# Altium PCB LimePSB-RPCM_1v2.PcbDoc (part 2 of 10)
Units mm, origin at the board's own origin, x right, y up, seen from the top; angles counter-clockwise.
Board outline 170 x 110 mm, 6 copper layers (Top, L2, L3, L4, L5, Bottom), stack 1.583 mm thick; 800 components, 483 nets, 3453 pads, 1534 vias.
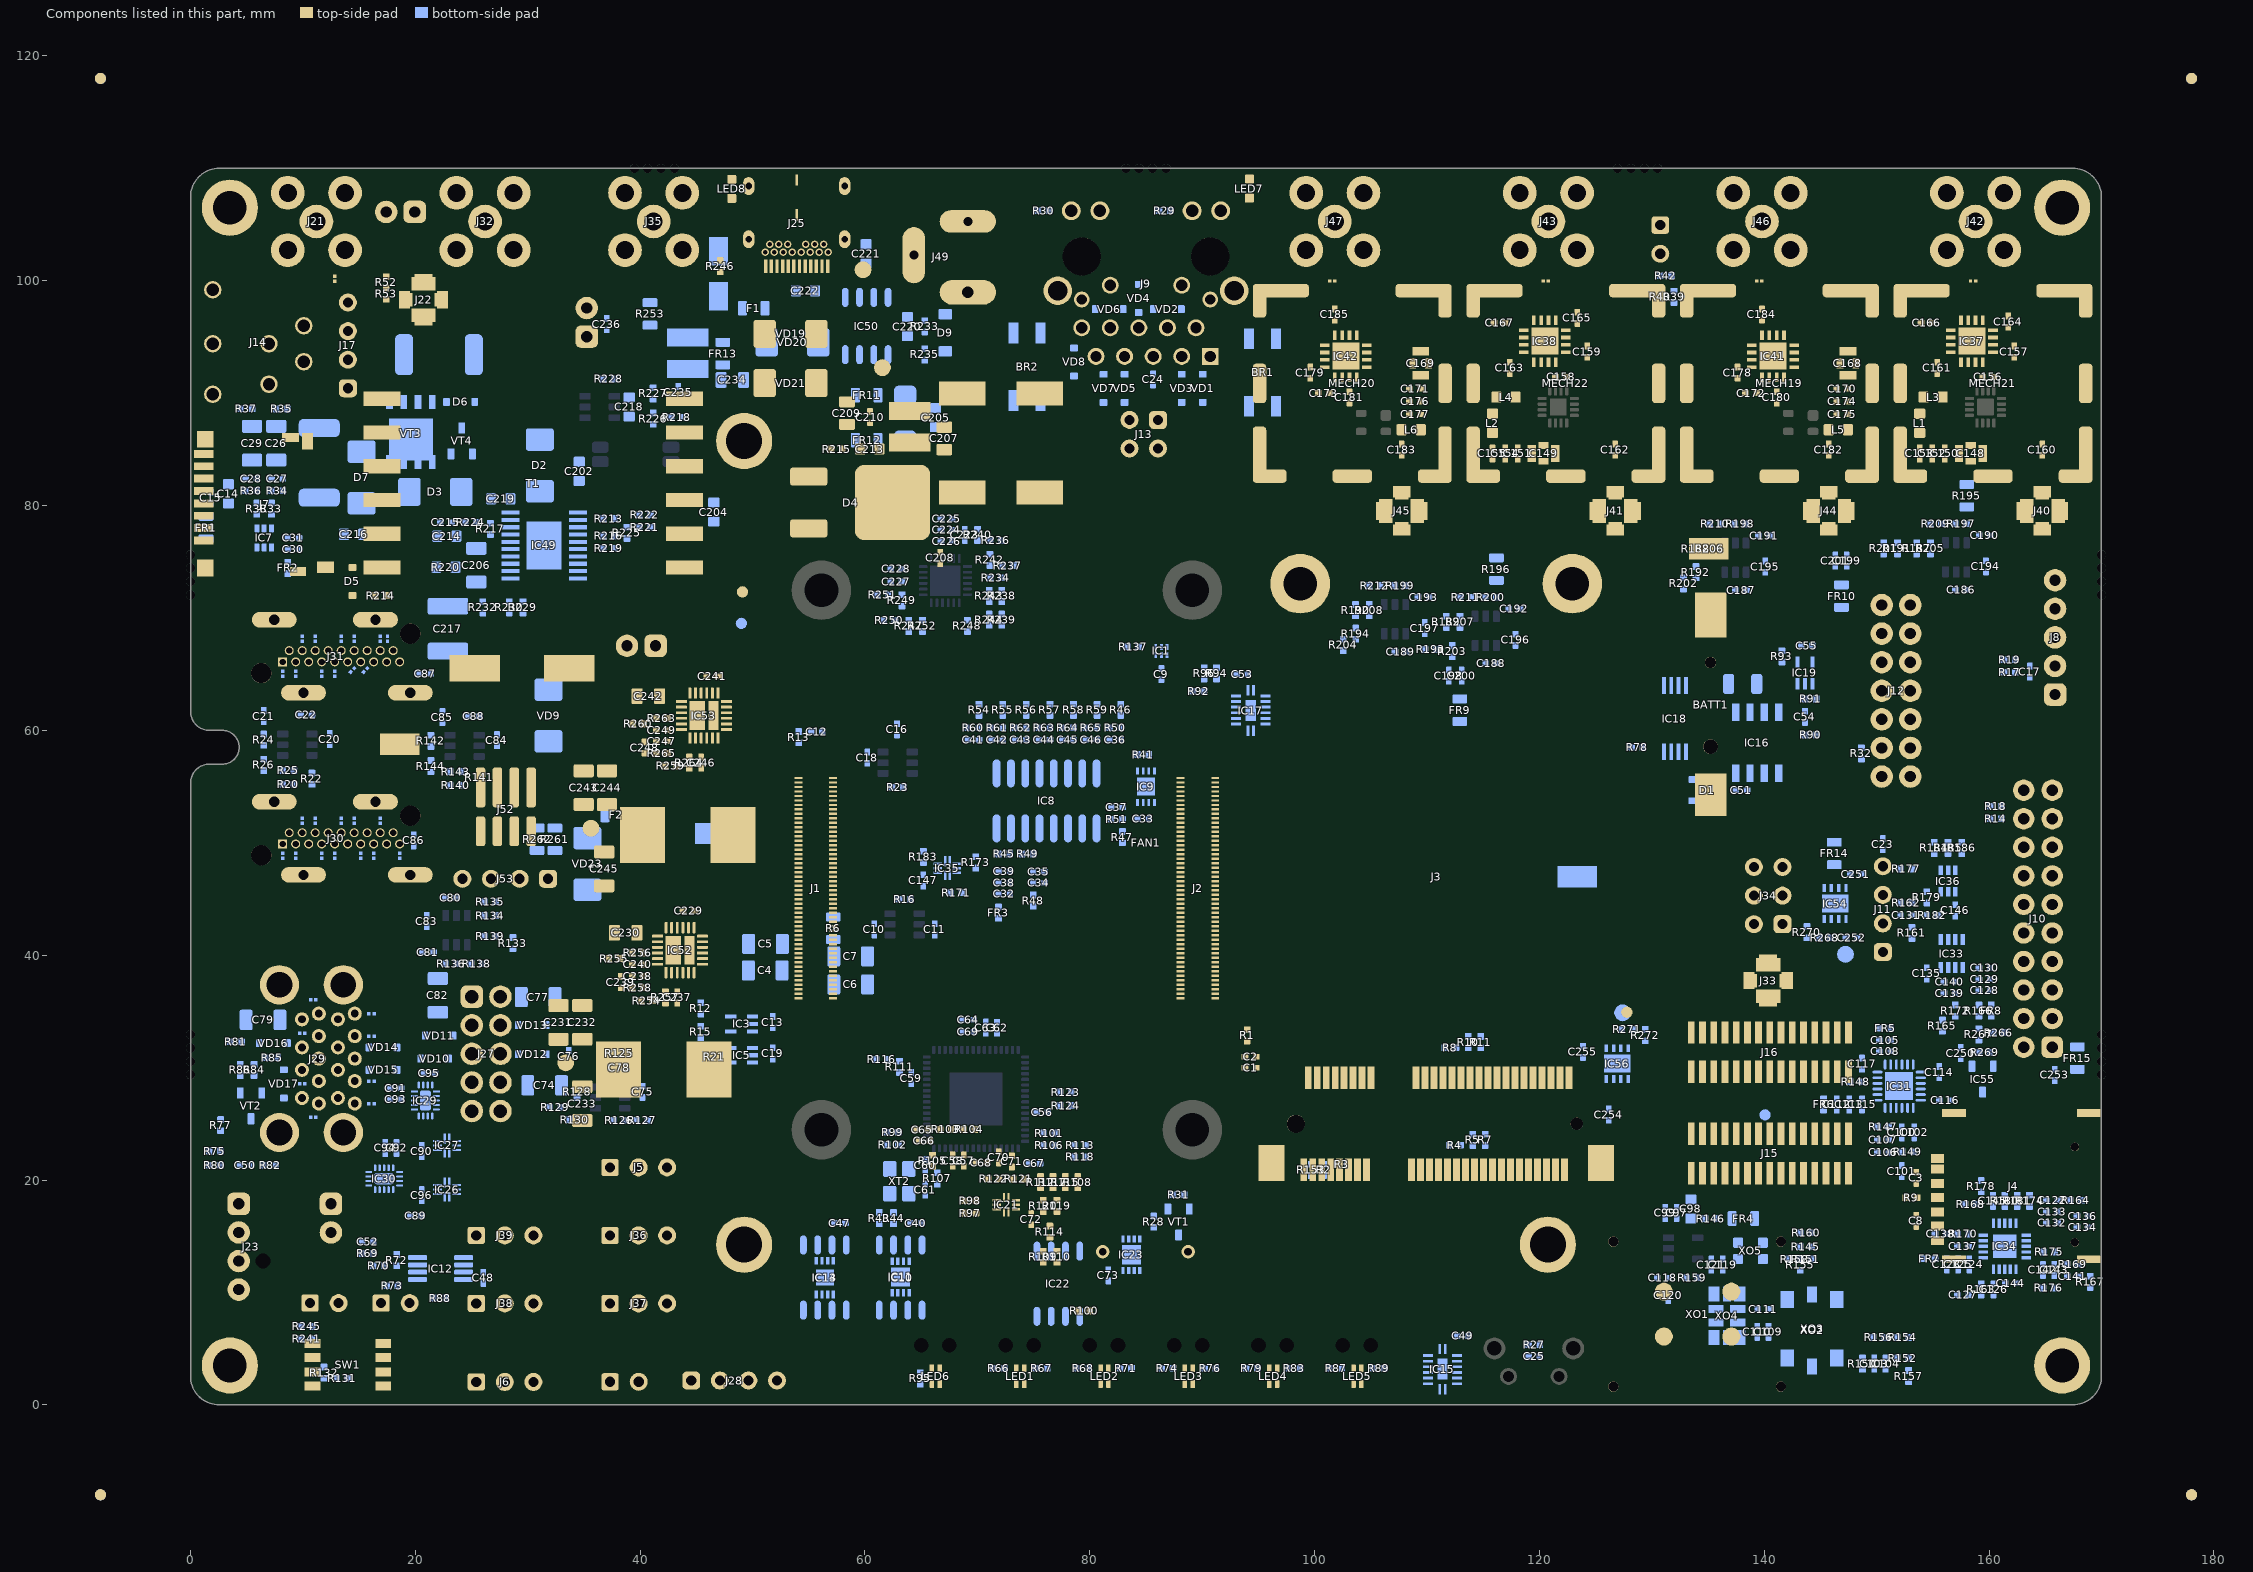
[diagram p6: the components of this part, seen from the top]

## Components (designator, comment, footprint, x,y, rotation, side; value= is the part's Value field where it differs from the comment) (continued)
R143 "10k, 1%" RES0402#1 23.575,56.338 r180 bottom
R144 "470R, 1%" RES0402#1 21.385,56.823 r90 bottom
R145 "0R" RES0402_v2#1 143.7,14.075 r0 bottom
R146 "0R" RES0402#1 135.225,16.575 r180 bottom
R147 "0R" RES0402#1 150.575,24.75 r0 bottom
R148 "0R" RES0402#1 148.15,28.75 r0 bottom
R149 "49.9R, 1%" RES0402#1 152.75,22.525 r180 bottom
R150 "0R" RES0402#1 148.74,3.665 r90 bottom
R151 "0R" RES0402_v2#1 143.7,12.975 r0 bottom
R152 "0R" RES0402#1 152.34,4.165 r0 bottom
R153 "0R" RES0402#1 99.7,20.9 r90 bottom
R154 "0R" RES0402#1 152.325,6 r180 bottom
R155 "0R" RES0402_v2#1 143.2,12.475 r90 bottom
R156 "22R, 1%" RES0402#1 150.2,6 r180 bottom
R157 "0R" RES0402#1 152.84,2.565 r270 bottom
R158 "0R" RES0402_v2#1 142.7,12.975 r180 bottom
R159 "0R" RES0402#1 133.575,11.3 r180 bottom
R160 "0R" RES0402_v2#1 143.725,15.3 r0 bottom
R161 "1k, 1%" RES0402#1 153.14,41.989 r270 bottom
R162 "0R" RES0402#1 152.64,44.659 r0 bottom
R163 "49.9R, 1%" RES0402#1 159.3,10.275 r270 bottom
R164 "10R, 1%" RES0402#1 167.725,18.2 r180 bottom
R165 "0R" RES0402_v2#1 155.849,33.739 r270 bottom
R166 "3k, 1%" RES0402#1 159.099,35.074 r90 bottom
R167 "0R" RES0402#1 168.999,10.95 r270 bottom
R168 "1k, 1%" RES0402#1 158.364,17.84 r180 bottom
R169 "470R, 1%" RES0402#1 167.449,12.5 r0 bottom
R170 "49.9R, 1%" RES0402#1 157.7,15.2 r180 bottom
R171 "0R" RES0402#1 68.1,45.55 r0 bottom
R172 "10k, 1%" RES0402#1 156.999,35.075 r270 bottom
R173 "0R" RES0402#1 69.863,48.25 r90 bottom
R174 "10k, 1%" RES0402#1 163.6,18.15 r90 bottom
R175 "10k, 1%" RES0402#1 165.349,13.6 r0 bottom
R176 "330R, 1%" RES0402#1 165.299,10.4 r180 bottom
R177 "10k, 1%" RES0402#1 152.64,47.675 r0 bottom
R178 "49.9R, 1%" RES0402#1 159.3,19.45 r270 bottom
R179 "3k, 1%" RES0402#1 154.465,45.149 r90 bottom
R180 "49.9R, 1%" RES0402#1 161.4,18.15 r270 bottom
R181 "49.9R, 1%" RES0402#1 162.5,18.15 r270 bottom
R182 "10k, 1%" RES0402#1 154.965,43.549 r0 bottom
R183 "10k, 1%" RES0402#1 65.2,48.75 r90 bottom
R184 "49.9R, 1%" RES0402#1 155.124,49.549 r90 bottom
R185 "49.9R, 1%" RES0402#1 156.349,49.549 r90 bottom
R186 "49.9R, 1%" RES0402#1 157.574,49.549 r90 bottom
R187 "0R" RES0402#1 153.563,76.2 r270 bottom
R188 "0R" RES0402#1 133.925,76.172 r270 bottom
R189 "0R" RES0402#1 111.715,69.66 r270 bottom
R190 "0R" RES0402#1 103.638,70.7 r270 bottom
R191 "100k, 1%" RES0402#1 151.85,76.2 r270 bottom
R192 "100k, 1%" RES0402#1 133.925,74.075 r270 bottom
R193 "100k, 1%" RES0402#1 110.325,67.2 r0 bottom
R194 "100k, 1%" RES0402#1 103.65,68.6 r270 bottom
R195 "0R" RES0805 158.025,80.888 r270 bottom
R196 "0R" RES0805 116.177,74.348 r270 bottom
R197 "0R" RES0402#1 157.525,78.388 r0 bottom
R198 "0R" RES0402#1 137.885,78.363 r0 bottom
R199 "0R" RES0402#1 107.598,72.89 r0 bottom
R200 "0R" RES0402#1 115.675,71.85 r0 bottom
R201 "100k, 1%" RES0402#1 150.625,76.2 r90 bottom
R202 "100k, 1%" RES0402#1 132.825,73.075 r270 bottom
R203 "100k, 1%" RES0402#1 112.25,67.05 r270 bottom
R204 "100k, 1%" RES0402#1 102.55,67.6 r270 bottom
R205 "10k, 1%" RES0402#1 154.788,76.2 r90 bottom
R206 "10k, 1%" RES0402#1 135.15,76.172 r90 bottom
R207 "10k, 1%" RES0402#1 112.94,69.66 r90 bottom
R208 "10k, 1%" RES0402#1 104.863,70.7 r90 bottom
R209 "470R, 1%" RES0402#1 155.273,78.39 r0 bottom
R210 "470R, 1%" RES0402#1 135.635,78.363 r0 bottom
R211 "470R, 1%" RES0402#1 113.425,71.85 r0 bottom
R212 "470R, 1%" RES0402#1 105.348,72.89 r0 bottom
R213 "30.1R, 1%" RES0402#1 37.225,78.85 r180 bottom
R214 "75R, 1%" RES0402#2 16.925,72 r180 top
R215 "75R, 1%" RES0402#2 57.475,85.025 r0 top
R216 "118k, 1%" RES0402#1 37.225,77.3 r180 bottom
R217 "5.1k, 5%" RES0402#1 26.675,77.925 r270 bottom
R218 "680R, 1%" RES0402#1 43.25,87.85 r180 bottom
R219 "44.2k, 1%" RES0402#1 37.225,76.2 r0 bottom
R220 "10R, 1%" RES0603#2 22.725,74.525 r0 bottom
R221 "470k, 1%" RES0402#1 40.425,78.075 r0 bottom
R222 "22.1k, 1%" RES0402#1 40.425,79.175 r0 bottom
R223 "330R, 1%" RES2512 11.45,83.8 r90 bottom
R224 "0R" RES0402#1 24.95,78.5 r180 bottom
R225 "768R, 1%" RES0402#1 38.825,77.575 r270 bottom
R226 "22k, 1%" RES0402#1 41.155,87.747 r270 bottom
R227 "15k, 1%" RES0402#1 41.15,89.975 r90 bottom
R228 "3.92k, 1%" RES0402#1 37.212,91.262 r180 bottom
R229 "5.1k, 5%" RES0402#1 29.575,70.95 r90 bottom
R230 "150k, 1%" RES0402#1 28.346,70.954 r90 bottom
R231 "0.1R, 1%" RES2512 22.1,93.425 r180 bottom
R232 "2k2, 1%" RES0402#1 26,70.95 r90 bottom
R233 "10k, 1%" RES0402#1 65.325,95.95 r90 bottom
R234 "1k, 1%" RES0402#1 71.636,73.575 r180 bottom
R235 "44.2k, 1%" RES0402#1 65.325,93.45 r90 bottom
R236 "5.1k, 5%" RES0402#1 71.616,76.895 r180 bottom
R237 "5.1k, 5%" RES0402#1 72.716,74.67 r180 bottom
R238 "5.1k, 5%" RES0402#1 72.166,71.97 r90 bottom
R239 "5.1k, 5%" RES0402#1 72.166,69.845 r270 bottom
R240 "1k, 1%" RES0402#1 70.016,77.395 r90 bottom
R241 "2k2, 1%" RES0402#1 10.325,5.875 r180 bottom
R242 "2.4k, 1%" RES0402#1 71.116,75.17 r270 bottom
R243 "2.4k, 1%" RES0402#1 71.066,71.97 r90 bottom
R244 "2.4k, 1%" RES0402#1 71.066,69.845 r270 bottom
R245 "0R" RES0402#1 10.325,6.975 r180 bottom
R246 "2k2, 1%" RES0402#2 47.125,101.3 r270 top
R247 "10k, 1%" RES0402#1 63.891,69.295 r270 bottom
R248 "10k, 1%" RES0402#1 69.116,69.295 r270 bottom
R249 "10k, 1%" RES0402#1 63.291,71.57 r270 bottom
R250 "0R" RES0402#1 62.166,69.795 r180 bottom
R251 "0R" RES0402#1 61.566,72.07 r180 bottom
R252 "10k, 1%" RES0402#1 65.116,69.295 r90 bottom
R253 "0R" RES0805 40.875,97.05 r90 bottom
R254 "10k, 1%" RES0402#2 40.591,35.948 r0 top
R255 "44.2k, 1%" RES0402#2 37.7,39.7 r180 top
R256 "100k, 1%" RES0402#2 39.8,40.2 r180 top
R257 "2.21k, 1%" RES0402#2 42.25,36.25 r90 top
R258 "44.2k, 1%" RES0402#2 39.8,37.1 r0 top
R259 "22k, 1%" RES0402#2 42.709,56.834 r180 top
R260 "44.2k, 1%" RES0402#2 39.825,60.575 r180 top
R261 "100R, 1%" RES0805 32.42,50.314 r270 bottom
R262 "100R, 1%" RES0805 30.825,50.325 r270 bottom
R263 "100k, 1%" RES0402#2 41.925,61.075 r180 top
R264 "3k, 1%" RES0402#2 44.375,57.125 r90 top
R265 "44.2k, 1%" RES0402#2 41.925,57.975 r0 top
R266 "1k, 1%" RES0402#1 160.875,33.125 r0 bottom
R267 "0R" RES0402#1 159.1,32.95 r270 bottom
R268 "1.6k, 1%" RES0402#1 145.4,41.55 r0 bottom
R269 "0R" RES0402#1 159.6,31.35 r180 bottom
R270 "510R, 1%" RES0402#1 143.8,42.05 r90 bottom
R271 "1k, 1%" RES0402#1 127.825,33.4 r180 bottom
R272 "1.2k, 1%" RES0402#1 129.425,32.9 r270 bottom
SW1 "4 bit switch" SW_4WAY_SMD_1P27 14,3.565 r270 top locked
T1 "POE300F-12LD" POE300F50LD_TRANSFORMER 30.5,82 r0 top
TP1 "TESTPOINT_PAD" TP_PAD_1P5MM 61.55,92.275 r0 top
TP2 "TESTPOINT_PAD" TP_PAD_1P5MM 59.825,100.975 r0 top
TP3 "TESTPOINT_PAD" TP_PAD_1P5MM 33.375,30.425 r90 top
TP4 "TESTPOINT_PAD" TP_PAD_1P5MM 35.625,51.3 r180 top
TP5 "TESTPOINT_PAD" TP_PAD_1P5MM 147.225,40.075 r270 bottom
TP6 "TESTPOINT_PAD" TP_PAD_1P5MM 127.4,34.875 r270 bottom
TP7 "TESTPOINT_THT_MINI" TP-SMD-LOW_PROFILE 18.625,58.775 r0 top
TP8 "TESTPOINT_THT_MINI" TP-SMD-LOW_PROFILE 46.625,50.825 r180 bottom
TP9 "TESTPOINT_THT_MINI" TP-SMD-LOW_PROFILE 135.075,76.175 r0 top
TP10 "TESTPOINT_THT_MINI" TP-SMD-LOW_PROFILE 123.35,46.975 r180 bottom
VD1 "TVS" SOD323 90.045,90.425 r90 bottom
VD2 "TVS" SOD323 86.9,97.475 r0 bottom
VD3 "TVS" SOD323 88.175,90.425 r90 bottom
VD4 "TVS" SOD323 84.35,98.425 r270 bottom
VD5 "TVS" SOD323 83.1,90.425 r90 bottom
VD6 "TVS" SOD323 81.725,97.475 r0 bottom
VD7 "TVS" SOD323 81.225,90.425 r90 bottom
VD8 "TVS" SOD323 78.6,92.775 r90 bottom
VD9 "SK36A" SK32A-L_DIODE_DO-214AC#1 31.85,61.325 r270 bottom
VD10 "TVS" SOD323 21.725,30.8 r0 bottom
VD11 "TVS" SOD323 22.125,32.85 r0 bottom
VD12 "TVS" SOD323 30.394,31.194 r180 bottom
VD13 "TVS" SOD323 30.394,33.78 r180 bottom
VD14 "TVS" SOD323 17.125,31.8 r180 bottom
VD15 "TVS" SOD323 17.125,29.8 r180 bottom
VD16 "TVS" SOD323 7.375,32.175 r0 bottom
VD17 "TVS" SOD323 8.3,28.55 r90 bottom
VD18 "SMAJ58A" SMAJ58A_SHOTTKY_DIODE 63.575,87.825 r90 bottom
VD19 "SK36A" SK32A-L_DIODE_DO-214AC#2 53.375,95.275 r0 top
VD20 "SK36A" SK32A-L_DIODE_DO-214AC#1 53.55,94.525 r0 bottom
VD21 "SK36A" SK32A-L_DIODE_DO-214AC#2 53.375,90.9 r0 top
VD22 "SMBJ14A" SMAJ12CA-13-F 46.975,100.575 r270 bottom
VD23 "SK36A" SK32A-L_DIODE_DO-214AC#1 35.3,48.125 r270 bottom
VT1 "IRLML6244" SOT23-3 87.9,16.27 r270 bottom
VT2 "IRLML6244" SOT23-3 5.375,26.6 r270 bottom
VT3 "FDMS86250" FDMS86250_NMOS_POWER56 19.6,86.55 r0 bottom
VT4 "BFT92,215" BFT92,215_PNP_STO23-3 24.125,85.75 r90 bottom
XO1 "U7475LF 30.72MHz" AOCJYR-10.000MHz 134.075,8.075 r0 top
XO2 "E6245LF 30.72 MHz" RAKON_RPT7050A 144.264,6.615 r270 bottom
XO3 "E5280LF 30.72MHz" RAKON_TXCO 144.264,6.615 r270 bottom
XO4 "RTX5032A, 40.00MHz" RAKON_RTX5032A 136.675,7.925 r90 bottom
XO5 "ASVTX-12 38.4MHz" CRYSTAL_4-LCC_2P5x2P0 138.775,13.7 r0 bottom
XT1 "32.768kHz" CRYSTAL_2PIN_RTC_RT3215 138.08,64.134 r0 bottom
XT2 "24MHz" CRYSTAL_4-LCC 63.05,19.886 r270 bottom

## Footprints (in the part's own frame and the unit in brackets; to place one, negate y for a bottom-side part, rotate by r counter-clockwise, add the part's x,y. Pads: shape width x height; smd on the part's side, far side on the other; paste and mask are expansions set on the pad)
12CWQ06FN_diode_array_DPAK [mm]
  round 0.508 on Mech15: 0(0,0)
  rrect25% 3.3x1.6 smd: 1(3.526,-2.3) 3(3.526,2.3)
  rrect25% 6.7x6.7 smd: 2(-3.926,0)
  silkscreen extent -5.13,-3.6 5.9,3.7, body extent -5.93,-3.37 4.17,3.37, height 2.37
74AHCT1G126SE-7_BUFFER_SOT353 [mm]
  rect 1x0.36 smd mask+0.05: 1(-0.965,0.66) 2(-0.965,0) 3(-0.965,-0.66) 4(0.965,-0.66) 5(0.965,0.66)
  silkscreen extent -1.17,-1.1 0.63,1.25, body extent -1.15,-1.05 1.15,1.05, height 1
74HC595BQ,115 [mm]
  rect 0.9x0.25 smd mask+0.05: 1(-1.8,-0.25) 8(1.8,-0.25) 9(1.8,0.25) 16(-1.8,0.25)
  rect 0.25x0.9 smd mask+0.05: 2(-1.3,-1.3) 3(-0.8,-1.3) 4(-0.3,-1.3) 5(0.2,-1.3) 6(0.7,-1.3) 7(1.2,-1.3) 10(1.2,1.3) 11(0.7,1.3) 12(0.2,1.3) 13(-0.3,1.3) 14(-0.8,1.3) 15(-1.3,1.3)
  rect 1.9x0.9 smd paste-2 mask+0.05: PAD(0,0)
  silkscreen extent -2.3,-1.8 2.3,1.8, body extent -1.8,-1.07 1.8,1.08, height 1
74LVC1G3157FZ4_SPDT_SW_DFN1410-6 [mm]
  rect 0.525x0.25 smd mask+0.05: 1(-0.362,0.5) 2(-0.362,0) 3(-0.362,-0.5) 4(0.363,-0.5) 5(0.363,0) 6(0.363,0.5)
  silkscreen extent -0.82,-0.8 0.5,0.9, body extent -0.51,-0.7 0.51,0.7, height 0.4
874370443_1P5_SMD_HEADER [mm] "Supercapacitor 1.5mm pitch header"
  rrect50% 3.55x0.85 smd mask+0.05: 1(-1.95,2.25) 2(-1.95,0.75) 3(-1.95,-0.75) 4(-1.95,-2.25)
  rrect50% 2.65x0.85 smd mask+0.05: 1(1.95,2.25) 2(1.95,0.75) 3(1.95,-0.75) 4(1.95,-2.25)
  silkscreen extent -4.1,-3.9 3.5,3.8, body extent -3.25,-3.7 2.75,3.6, height 5.77
AD5601_SOT23-6 [mm] "SOT23, 6-Leads, Body 2x1.3mm, Pitch 0.65mm, Lead Span 2.1mm, IPC Medium Density"
  rect 0.85x0.4 smd mask+0.05: 1(-0.95,0.65) 2(-0.95,0) 3(-0.95,-0.65) 4(0.95,-0.65) 5(0.95,0) 6(0.95,0.65)
  silkscreen extent -1.07,-1.1 0.15,1.52, body extent -1.05,-1 1.05,1, height 0.43
AD5662_SOT23-8 [mm]
  rect 1x0.4 smd mask+0.05: 1(-1.25,0.975) 2(-1.25,0.325) 3(-1.25,-0.325) 4(-1.25,-0.975) 5(1.25,-0.975) 6(1.25,-0.325) 7(1.25,0.325) 8(1.25,0.975)
  silkscreen extent -1.29,-1.4 0.3,1.51, body extent -1.4,-1.49 1.4,1.45, height 1.2
ADF4002 [mm]
  rect 0.85x0.3 smd mask+0.05: 1(-2.05,1) 2(-2.05,0.5) 3(-2.05,0) 4(-2.05,-0.5) 5(-2.05,-1) 11(2.05,-1) 12(2.05,-0.5) 13(2.05,0) 14(2.05,0.5) 15(2.05,1)
  rect 0.3x0.85 smd mask+0.05: 6(-1,-1.9) 7(-0.5,-1.9) 8(0,-1.9) 9(0.5,-1.9) 10(1,-1.9) 16(1,1.9) 17(0.5,1.9) 18(0,1.9) 19(-0.5,1.9) 20(-1,1.9)
  rect 2.1x2.1 smd: 21(0,0)
  silkscreen extent -2.3,-2.22 2.3,2.22, body extent -2.03,-2.02 2.02,2.02, height 0.8
ADP2386 [mm] "QFN, 24-Leads, Body 4,00x4,00mm, Pitch 0,50mm, 2x thermal pads, IPC Medium Density"
  rrect50% 1x0.25 smd mask+0.05: 1(-2,1.25) 2(-2,0.75) 3(-2,0.25) 4(-2,-0.25) 5(-2,-0.75) 6(-2,-1.25) 13(2,-1.25) 14(2,-0.75) 15(2,-0.25) 16(2,0.25) 17(2,0.75) 18(2,1.25)
  rrect50% 0.25x1 smd mask+0.05: 7(-1.25,-2) 8(-0.75,-2) 9(-0.25,-2) 10(0.25,-2) 11(0.75,-2) 12(1.25,-2) 19(1.25,2) 20(0.75,2) 21(0.25,2) 22(-0.25,2) 23(-0.75,2) 24(-1.25,2)
  rect 2.55x1.4 smd mask+0.05: 25(0,0.6)
  rect 2.55x0.9 smd mask+0.05: 26(0,-0.85)
  silkscreen extent -2.22,-2.22 2.22,2.23, body extent -2,-2 2,2, height 1
AOCJYR-10.000MHz [mm]
  round 0.9 hole 0.9 unplated: 0(-7.5,6.45) 0(-7.5,-6.45) 0(7.4,-6.45) 0(7.4,6.45)
  round 1.6 smd mask+0.05: 1(-3,-2) 2(3,-2) 3(3,2) 4(-3,2)
  Top pour cut-out: 7.4,-6.45 7.4,-5.35 7.821,-5.434 8.178,-5.672 8.416,-6.029 8.5,-6.45 8.5,-6.45
  Top pour cut-out: 7.4,-6.45 7.4,-7.55 6.979,-7.466 6.622,-7.228 6.384,-6.871 6.3,-6.45 6.3,-6.45
  Top pour cut-out: 7.4,-6.45 6.3,-6.45 6.384,-6.029 6.622,-5.672 6.979,-5.434 7.4,-5.35 7.4,-5.35
  Top pour cut-out: 7.4,-6.45 8.5,-6.45 8.416,-6.871 8.178,-7.228 7.821,-7.466 7.4,-7.55 7.4,-7.55
  Top pour cut-out: -7.5,-6.45 -6.4,-6.45 -6.484,-6.871 -6.722,-7.228 -7.079,-7.466 -7.5,-7.55 -7.5,-7.55
  Top pour cut-out: -7.5,-6.45 -8.6,-6.45 -8.516,-6.029 -8.278,-5.672 -7.921,-5.434 -7.5,-5.35 -7.5,-5.35
  Top pour cut-out: -7.5,-6.45 -7.5,-7.55 -7.921,-7.466 -8.278,-7.228 -8.516,-6.871 -8.6,-6.45 -8.6,-6.45
  Top pour cut-out: -7.5,-6.45 -7.5,-5.35 -7.079,-5.434 -6.722,-5.672 -6.484,-6.029 -6.4,-6.45 -6.4,-6.45
  Top pour cut-out: -7.5,6.45 -6.4,6.45 -6.484,6.029 -6.722,5.672 -7.079,5.434 -7.5,5.35 -7.5,5.35
  Top pour cut-out: -7.5,6.45 -8.6,6.45 -8.516,6.871 -8.278,7.228 -7.921,7.466 -7.5,7.55 -7.5,7.55
  Top pour cut-out: -7.5,6.45 -7.5,5.35 -7.921,5.434 -8.278,5.672 -8.516,6.029 -8.6,6.45 -8.6,6.45
  Top pour cut-out: -7.5,6.45 -7.5,7.55 -7.079,7.466 -6.722,7.228 -6.484,6.871 -6.4,6.45 -6.4,6.45
  Top pour cut-out: 7.4,6.45 8.5,6.45 8.416,6.029 8.178,5.672 7.821,5.434 7.4,5.35 7.4,5.35
  Top pour cut-out: 7.4,6.45 6.3,6.45 6.384,6.871 6.622,7.228 6.979,7.466 7.4,7.55 7.4,7.55
  Top pour cut-out: 7.4,6.45 7.4,5.35 6.979,5.434 6.622,5.672 6.384,6.029 6.3,6.45 6.3,6.45
  Top pour cut-out: 7.4,6.45 7.4,7.55 7.821,7.466 8.178,7.228 8.416,6.871 8.5,6.45 8.5,6.45
  Top pour cut-out: 4.9,-0.5 4.9,3.9 -4.9,3.9 -4.9,-3.9 1.525,-3.9 1.525,-0.5
  silkscreen extent -9,-8 9,8, body extent -8.05,-7.01 7.95,6.99, height 10
AP7361 [mm] "Low noise LDO"
  rect 0.7x0.3 smd mask+0.05: 1(-1.375,0.975) 2(-1.375,0.325) 3(-1.375,-0.325) 4(-1.375,-0.975) 5(1.375,-0.975) 6(1.375,-0.325) 7(1.375,0.325) 8(1.375,0.975)
  rect 1.6x2.35 smd mask+0.05: 9(0,0)
  silkscreen extent -2,-1.7 2,1.7, body extent -1.52,-1.5 1.5,1.5, height 0.8
ATECC508A_UDFN8 [mm]
  rect 0.7x0.3 smd mask+0.05: 1(-1.5,0.75) 2(-1.5,0.25) 3(-1.5,-0.25) 4(-1.5,-0.75) 5(1.5,-0.75) 6(1.5,-0.25) 7(1.5,0.25) 8(1.5,0.75)
  rect 1.4x1.6 smd mask+0.05: PAD(0,0)
  silkscreen extent -1.64,-1.1 1.2,1.24, body extent -1.5,-1 1.5,1, height 0.53
Audio_jack_3.5mm [mm]
  round 1.55 hole 1.1 mask+0.05: 1(2.9,4.8) 2(7.9,-3.6) 3(11,1.6) 4(2.9,-4.5) 5(11,-1.6) 6(2.9,0) 7(7.9,0)
  silkscreen extent 1.3,-5.3 11.6,5, body extent -2.5,-5.3 11.5,4.9, height 5.2
BAS316_DIODE_SOD323#1 [mm]
  round 0.508 on Mech15: 0(0,0)
  rrect25% 0.6x0.7 smd: A(1.25,0) C(-1.25,0)
  silkscreen extent -0.63,-0.9 0.64,0.75, body extent -1.3,-0.68 1.3,0.68, height 1.1
BAS316_DIODE_SOD323#2 [mm]
  round 0.508 on Mech14: 0(0,0)
  rrect25% 0.6x0.7 smd: A(1.25,0) C(-1.25,0)
  silkscreen extent -0.63,-0.9 0.64,0.75, body extent -1.3,-0.68 1.3,0.67, height 1.1
BAT54C_SOT23-3 [mm] "SOT23, 3 pin"
  round 0.5 on Mech14: 0(0,0)
  rrect25% 1x0.6 smd: A1(-1.15,0.95) A2(-1.15,-0.95) C(1.15,0)
  silkscreen extent -1.25,-1.45 0.38,1.81, body extent -1.4,-1.45 1.4,1.45, height 1.29
BFT92,215_PNP_STO23-3 [mm]
  round 0.5 on Mech14: 0(0,0)
  rrect25% 1x0.6 smd: 1(-1.15,0.95) 2(-1.15,-0.95) 3(1.15,0)
  silkscreen extent -1.25,-1.45 0.38,1.81, body extent -1.4,-1.45 1.4,1.45, height 1.29
BUZZER_WST-1203UX [mm]
  round 1.2 hole 0.7 mask+0.05: 1(0,3.8) 2(0,-3.8)
  silkscreen extent -6.3,-6.3 6.3,6.3, body extent -6,-6.03 6,9.43, height 9.65
CAP0402#1 [mm] "Chip Capacitor, Body 1.0x0.5mm, 0402, IPC Medium Density"
  round 0.2 on Mech15: 0(0,0)
  rrect20% 0.6x0.5 smd: 1(-0.5,0) 2(0.5,0)
  Top pour cut-out: -0.2,0.35 0.2,0.35 0.2,-0.35 -0.2,-0.35
  silkscreen extent -1.05,-0.5 1.05,0.5, body extent -0.52,-0.27 0.53,0.28, height 0.55
CAP0402#2 [mm] "Chip Capacitor, Body 1.0x0.5mm, 0402, IPC Medium Density"
  round 0.2 on Mech14: 0(0,0)
  rrect20% 0.6x0.5 smd: 1(-0.5,0) 2(0.5,0)
  Top pour cut-out: -0.2,0.35 0.2,0.35 0.2,-0.35 -0.2,-0.35
  silkscreen extent -1.05,-0.5 1.05,0.5, body extent -0.52,-0.27 0.53,0.28, height 0.55
CAP0603#1 [mm] "Chip Capacitor, Body 1.6x0.8mm, 0603, IPC Medium Density"
  round 0.254 on Mech14: 0(0,0)
  rrect25% 0.9x1 smd: 1(-0.85,0) 2(0.85,0)
  Top pour cut-out: -0.4,0.6 0.4,0.6 0.4,-0.6 -0.4,-0.6
  silkscreen extent -0.18,-0.48 0.18,0.48, body extent -0.85,-0.45 0.85,0.45, height 0.89
CAP0603#2 [mm] "Chip Capacitor, Body 1.6x0.8mm, 0603, IPC Medium Density"
  round 0.254 on Mech15: 0(0,0)
  rrect25% 0.9x1 smd: 1(-0.85,0) 2(0.85,0)
  Top pour cut-out: -0.4,0.6 0.4,0.6 0.4,-0.6 -0.4,-0.6
  silkscreen extent -0.18,-0.48 0.18,0.48, body extent -0.85,-0.45 0.85,0.45, height 0.89
CAP0805#1 [mm] "Chip Capacitor, Body 2.0x1.2mm, 0805, IPC Medium Density"
  round 0.254 on Mech15: 0(0,0)
  rrect25% 1x1.4 smd: 1(-1,0) 2(1,0)
  Top pour cut-out: -0.4,0.8 0.4,0.8 0.4,-0.8 -0.4,-0.8
  silkscreen extent -0.15,-0.65 0.15,0.65, body extent -1.1,-0.72 1.1,0.73, height 1.34
CAP0805#2 [mm] "Chip Capacitor, Body 2.0x1.2mm, 0805, IPC Medium Density"
  round 0.254 on Mech14: 0(0,0)
  rrect25% 1x1.4 smd: 1(-1,0) 2(1,0)
  Top pour cut-out: -0.4,0.8 0.4,0.8 0.4,-0.8 -0.4,-0.8
  silkscreen extent -0.15,-0.65 0.15,0.65, body extent -1.1,-0.72 1.1,0.73, height 1.34
CAP0805_FEEDTHROUGH [mm]
  rect 0.75x1.5 smd mask+0.05: 1(-1.05,0) 3(1.05,0)
  rect 0.9x0.6 smd mask+0.05: 2(0,0.7) 2(0,-0.7)
  Top region: -0.375,-0.4
  Top region: -0.45,-0.675 -0.45,0.675 0.45,0.675 0.45,-0.675
  Top region: 0.375,0.425
  silkscreen extent -1.6,-1 1.6,1, body extent -1,-0.62 1,0.63, height 1.13
CAP1206#1 [mm] "Chip Capacitor, Body 3.2x1.6mm, 1206, IPC Medium Density"
  round 0.508 on Mech14: 0(0,0)
  rrect25% 1.15x1.8 smd: 1(-1.5,0) 2(1.5,0)
  silkscreen extent -0.4,-0.88 0.4,0.88, body extent -1.7,-0.9 1.7,0.9, height 1.74
CAP1206#2 [mm] "Chip Capacitor, Body 3.2x1.6mm, 1206, IPC Medium Density"
  round 0.508 on Mech15: 0(0,0)
  rrect25% 1.15x1.8 smd: 1(-1.5,0) 2(1.5,0)
  silkscreen extent -0.4,-0.88 0.4,0.88, body extent -1.7,-0.9 1.7,0.9, height 1.74
CAP1812 [mm] "Chip Capacitor, Body 3.2x2.5mm, 1210, IPC Medium Density"
  round 0.508 on Mech14: 0(0,0)
  rrect25% 1.5x3.6 smd: 1(-2,0) 2(2,0)
  silkscreen extent -0.4,-1.4 0.4,1.4, body extent -2.4,-1.7 2.4,1.8, height 1.54
CAP_POL_D10_H10 [mm]
  rect 4.5x2.35 smd: 1(-4.2,0) 2(4.2,0)
  silkscreen extent -6.65,-5.5 6.68,5.5, body extent -5.9,-5.25 5.9,5.25, height 10.3
CAP_POL_SIZE_F_v2 [mm]
  rect 4.15x2.15 smd: 1(-3.45,0) 2(3.45,0)
  silkscreen extent -4.15,-4.15 4.15,4.15, body extent -3.63,-3.3 3.57,3.3, height 5.55
CONN_PWR_JACK_v2 [mm] "Power Connector, 2.1mm ID, 5.5mm OD"
  oval 5x2.2 hole 1 slot 3.56 at 0 deg: 1(0,-14)
  oval 5x2 hole 0.8 slot 3.05 at 0 deg: 2(0,-7.7)
  oval 2x5 hole 0.8 slot 3.05 at 90 deg: 3(-4.8,-10.7)
  silkscreen extent -4.9,-15.5 4.93,-3, body extent -4.9,-14.1 4.5,0, height 11
CR1220_SMD_holder [mm]
  round 1 hole 1 unplated mask+0.05: MECH(-3.5,0)
  round 1.3 hole 1.3 unplated mask+0.05: MECH(4,0)
  rect 4x2.8 smd mask+0.05: NEGATIVE(-7.7,0)
  rect 3.8x2.8 smd mask+0.05: POSITIVE(8.275,0.025)
  silkscreen extent -10,-7.75 10.5,7.75, body extent -8.75,-7.5 9.75,7.5, height 3.94
CRYSTAL_2PIN_RTC_RT3215 [mm]
  rrect50% 1x1.8 smd mask+0.05: 1(-1.25,0) 2(1.25,0)
  silkscreen extent -2,-1.1 2,1.1, body extent -1.61,-0.76 1.61,0.76, height 0.91
CRYSTAL_4-LCC [mm] "SMD Crystal 4-lead leadless package"
  round 0.508 on Mech14: 0(0,0)
  rrect25% 1.4x1.2 smd: 1(-1.1,-0.85) 2(1.1,-0.85) 3(1.1,0.85) 4(-1.1,0.85)
  silkscreen extent -2.3,-1.6 2,1.6, body extent -1.65,-1.3 1.65,1.3, height 0.8
CRYSTAL_4-LCC_2P5x2P0 [mm] "SMD Crystal 4-lead leadless package 2.5x2.0 mm"
  rrect25% 0.9x0.9 smd: 1(-1.1,-0.725) 2(1.1,-0.725) 3(1.1,0.725) 4(-1.1,0.725)
  silkscreen extent -1.92,-1.28 0.38,1.28, body extent -1.25,-1 1.25,1, height 0.95